# Altium PCB Minion_Rev2.PcbDoc (part 9 of 11)
Units mil, origin at the board's own origin, x right, y up, seen from the top; angles counter-clockwise.
Board outline 4724.41 x 6929.13 mil, 4 copper layers (L1, L2, L3, L4), stack 62.087 mil thick; 873 components, 147 nets, 5651 pads, 5666 vias.
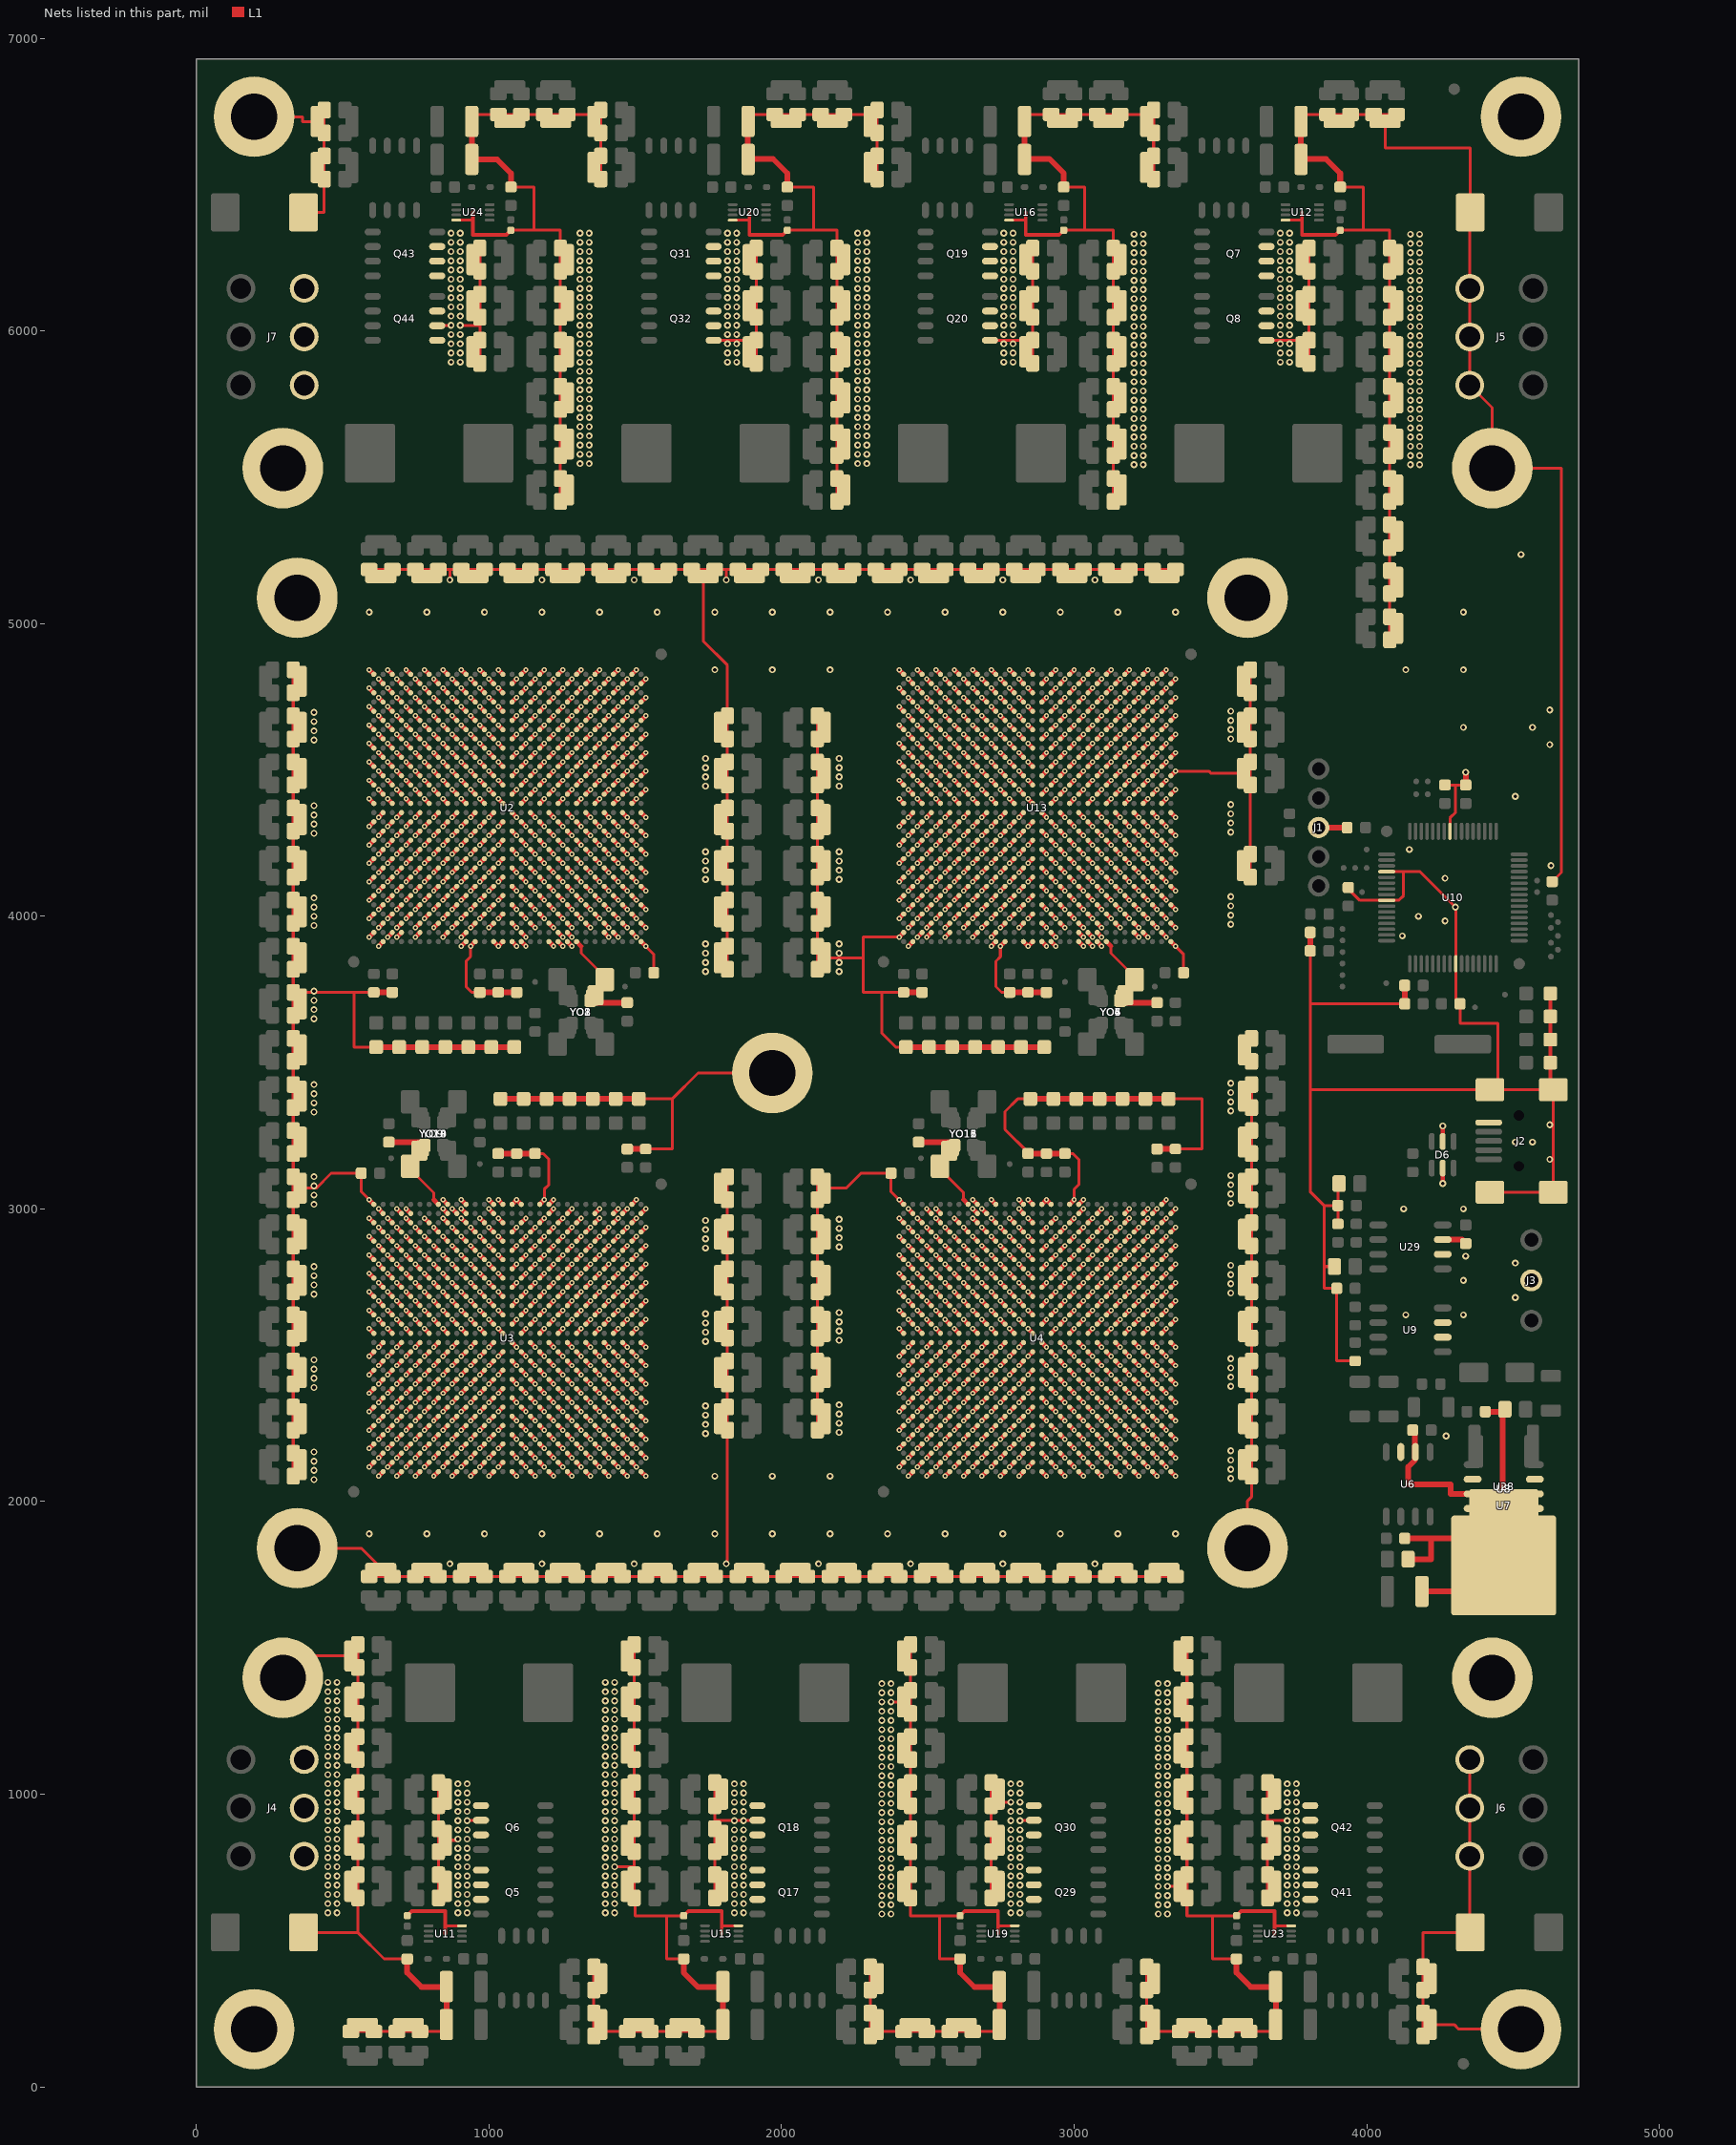
[diagram p11: the nets of this part, all layers, seen from the top]

## Via types
v1: diameter 17.72/17.72/17.72/17.72 (per signal layer), hole 7.87, L1 to L4, 3578 vias
v2: diameter 23.62/23.62/23.62/23.62 (per signal layer), hole 11.81, L1 to L4, 2088 vias

## Nets (pads, with @x,y where several pads share a name; then routed paths per layer and width w, separated by ;. In a path a pad name is that pad's centre, name@x,y a point inside that pad or via, vN(x,y) a via of type N, cw(c..) or ccw(c..) an arc to the next point about the centre after c; other vN are vias at no path point) (continued)
GND: (continued)
  L1 w15.75: v1(590.55,2118.11) U3.B30@606.3,2133.86 ; v1(590.55,2181.1) U3.D30@606.3,2196.85 ; v1(590.55,2244.09) U3.F30@606.3,2259.84 ; v1(590.55,2307.09) U3.H30@606.3,2322.83 ; v1(590.55,2370.08) U3.K30@606.3,2385.83 ; v1(590.55,2433.07) U3.M30@606.3,2448.82 ; v1(590.55,2496.06) U3.P30@606.3,2511.81 ; v1(590.55,2590.55) U3.T30@606.3,2574.8 ; v1(590.55,2653.54) U3.V30@606.3,2637.8 ; v1(590.55,2716.54) U3.Y30@606.3,2700.79 ; v1(590.55,2779.53) U3.AB30@606.3,2763.78 ; v1(590.55,2842.52) U3.AD30@606.3,2826.77 ; v1(590.55,2905.51) U3.AF30@606.3,2889.76 ; v1(590.55,2968.5) U3.AH30@606.3,2952.76 ; v1(590.55,3031.5) U3.AK30@606.3,3015.75 ; v1(590.55,3929.13) U2.AJ1@606.3,3944.88 ; v1(590.55,3992.13) U2.AG1@606.3,4007.87 ; v1(590.55,4055.12) U2.AE1@606.3,4070.87 ; v1(590.55,4118.11) U2.AC1@606.3,4133.86 ; v1(590.55,4181.1) U2.AA1@606.3,4196.85 ; v1(590.55,4244.09) U2.W1@606.3,4259.84 ; v1(590.55,4307.09) U2.U1@606.3,4322.83 ; v1(590.55,4401.57) U2.R1@606.3,4385.83 ; v1(590.55,4464.57) U2.N1@606.3,4448.82 ; v1(590.55,4527.56) U2.L1@606.3,4511.81 ; v1(590.55,4590.55) U2.J1@606.3,4574.8 ; v1(590.55,4653.54) U2.G1@606.3,4637.8 ; v1(590.55,4716.54) U2.E1@606.3,4700.79 ; v1(590.55,4779.53) U2.C1@606.3,4763.78 ; v1(590.55,4842.52) U2.A1@606.3,4826.77 ; v1(622.05,2086.61) U3.A29@637.8,2102.36 ; v1(622.05,2149.61) U3.C29@637.8,2165.35 ; v1(622.05,2212.6) U3.E29@637.8,2228.35 ; v1(622.05,2275.59) U3.G29@637.8,2291.34 ; v1(622.05,2338.58) U3.J29@637.8,2354.33 ; v1(622.05,2401.57) U3.L29@637.8,2417.32 ; v1(622.05,2464.57) U3.N29@637.8,2480.31 ; v1(622.05,2527.56) U3.R29@637.8,2543.31 ; v1(622.05,2622.05) U3.U29@637.8,2606.3 ; v1(622.05,2685.04) U3.W29@637.8,2669.29 ; v1(622.05,2748.03) U3.AA29@637.8,2732.28 ; v1(622.05,2811.02) U3.AC29@637.8,2795.28 ; v1(622.05,2874.02) U3.AE29@637.8,2858.27 ; v1(622.05,2937.01) U3.AG29@637.8,2921.26 ; v1(622.05,3000) U3.AJ29@637.8,2984.25 ; v1(622.05,3897.64) U2.AK2@637.8,3913.39 ; v1(622.05,3960.63) U2.AH2@637.8,3976.38 ; v1(622.05,4023.62) U2.AF2@637.8,4039.37 ; v1(622.05,4086.61) U2.AD2@637.8,4102.36 ; v1(622.05,4149.61) U2.AB2@637.8,4165.35 ; v1(622.05,4212.6) U2.Y2@637.8,4228.35 ; v1(622.05,4275.59) U2.V2@637.8,4291.34 ; v1(622.05,4338.58) U2.T2@637.8,4354.33 ; v1(622.05,4433.07) U2.P2@637.8,4417.32 ; v1(622.05,4496.06) U2.M2@637.8,4480.31 ; v1(622.05,4559.06) U2.K2@637.8,4543.31 ; v1(622.05,4622.05) U2.H2@637.8,4606.3 ; v1(622.05,4685.04) U2.F2@637.8,4669.29 ; v1(622.05,4748.03) U2.D2@637.8,4732.28 ; v1(622.05,4811.02) U2.B2@637.8,4795.28 ; v1(653.54,2118.11) U3.B28@669.29,2133.86 ; v1(653.54,2181.1) U3.D28@669.29,2196.85 ; v1(653.54,2244.09) U3.F28@669.29,2259.84 ; v1(653.54,2307.09) U3.H28@669.29,2322.83 ; v1(653.54,2370.08) U3.K28@669.29,2385.83 ; v1(653.54,2433.07) U3.M28@669.29,2448.82 ; v1(653.54,2496.06) U3.P28@669.29,2511.81 ; v1(653.54,2590.55) U3.T28@669.29,2574.8 ; v1(653.54,2653.54) U3.V28@669.29,2637.8 ; v1(653.54,2716.54) U3.Y28@669.29,2700.79 ; v1(653.54,2779.53) U3.AB28@669.29,2763.78 ; v1(653.54,2842.52) U3.AD28@669.29,2826.77 ; v1(653.54,2905.51) U3.AF28@669.29,2889.76 ; v1(653.54,2968.5) U3.AH28@669.29,2952.76 ; v1(653.54,3929.13) U2.AJ3@669.29,3944.88 ; v1(653.54,3992.13) U2.AG3@669.29,4007.87 ; v1(653.54,4055.12) U2.AE3@669.29,4070.87 ; v1(653.54,4118.11) U2.AC3@669.29,4133.86 ; v1(653.54,4181.1) U2.AA3@669.29,4196.85 ; v1(653.54,4244.09) U2.W3@669.29,4259.84 ; v1(653.54,4307.09) U2.U3@669.29,4322.83 ; v1(653.54,4401.57) U2.R3@669.29,4385.83 ; v1(653.54,4464.57) U2.N3@669.29,4448.82 ; v1(653.54,4527.56) U2.L3@669.29,4511.81 ; v1(653.54,4590.55) U2.J3@669.29,4574.8 ; v1(653.54,4653.54) U2.G3@669.29,4637.8 ; v1(653.54,4716.54) U2.E3@669.29,4700.79 ; v1(653.54,4779.53) U2.C3@669.29,4763.78 ; v1(653.54,4842.52) U2.A3@669.29,4826.77 ; v1(685.04,2086.61) U3.A27@700.79,2102.36 ; v1(685.04,2149.61) U3.C27@700.79,2165.35 ; v1(685.04,2212.6) U3.E27@700.79,2228.35 ; v1(685.04,2275.59) U3.G27@700.79,2291.34 ; v1(685.04,2338.58) U3.J27@700.79,2354.33 ; v1(685.04,2401.57) U3.L27@700.79,2417.32 ; v1(685.04,2464.57) U3.N27@700.79,2480.31 ; v1(685.04,2527.56) U3.R27@700.79,2543.31 ; v1(685.04,2622.05) U3.U27@700.79,2606.3 ; v1(685.04,2685.04) U3.W27@700.79,2669.29 ; v1(685.04,2748.03) U3.AA27@700.79,2732.28 ; v1(685.04,2811.02) U3.AC27@700.79,2795.28 ; v1(685.04,2874.02) U3.AE27@700.79,2858.27 ; v1(685.04,2937.01) U3.AG27@700.79,2921.26 ; v1(685.04,3000) U3.AJ27@700.79,2984.25 ; v1(685.04,3929.13) U2.AJ4@700.79,3944.88 ; v1(685.04,3960.63) U2.AH4@700.79,3976.38 ; v1(685.04,4023.62) U2.AF4@700.79,4039.37 ; v1(685.04,4086.61) U2.AD4@700.79,4102.36 ; v1(685.04,4149.61) U2.AB4@700.79,4165.35 ; v1(685.04,4212.6) U2.Y4@700.79,4228.35 ; v1(685.04,4275.59) U2.V4@700.79,4291.34 ; v1(685.04,4338.58) U2.T4@700.79,4354.33 ; v1(685.04,4433.07) U2.P4@700.79,4417.32 ; v1(685.04,4496.06) U2.M4@700.79,4480.31 ; v1(685.04,4559.06) U2.K4@700.79,4543.31 ; v1(685.04,4622.05) U2.H4@700.79,4606.3 ; v1(685.04,4685.04) U2.F4@700.79,4669.29 ; v1(685.04,4748.03) U2.D4@700.79,4732.28 ; v1(685.04,4811.02) U2.B4@700.79,4795.28 ; v1(716.54,2118.11) U3.B26@732.28,2133.86 ; v1(716.54,2181.1) U3.D26@732.28,2196.85 ; v1(716.54,2244.09) U3.F26@732.28,2259.84 ; v1(716.54,2307.09) U3.H26@732.28,2322.83 ; v1(716.54,2370.08) U3.K26@732.28,2385.83 ; v1(716.54,2433.07) U3.M26@732.28,2448.82 ; v1(716.54,2496.06) U3.P26@732.28,2511.81 ; v1(716.54,2590.55) U3.T26@732.28,2574.8 ; v1(716.54,2653.54) U3.V26@732.28,2637.8 ; v1(716.54,2716.54) U3.Y26@732.28,2700.79 ; v1(716.54,2779.53) U3.AB26@732.28,2763.78 ; v1(716.54,2842.52) U3.AD26@732.28,2826.77 ; v1(716.54,2905.51) U3.AF26@732.28,2889.76 ; v1(716.54,2968.5) U3.AH26@732.28,2952.76 ; v1(716.54,3000) U3.AJ26@732.28,2984.25 ; v1(716.54,3992.13) U2.AG5@732.28,4007.87 ; v1(716.54,4055.12) U2.AE5@732.28,4070.87 ; v1(716.54,4118.11) U2.AC5@732.28,4133.86 ; v1(716.54,4181.1) U2.AA5@732.28,4196.85 ; v1(716.54,4244.09) U2.W5@732.28,4259.84 ; v1(716.54,4307.09) U2.U5@732.28,4322.83 ; v1(716.54,4401.57) U2.R5@732.28,4385.83 ; v1(716.54,4464.57) U2.N5@732.28,4448.82 ; v1(716.54,4527.56) U2.L5@732.28,4511.81 ; v1(716.54,4590.55) U2.J5@732.28,4574.8 ; v1(716.54,4653.54) U2.G5@732.28,4637.8 ; v1(716.54,4716.54) U2.E5@732.28,4700.79 ; v1(716.54,4779.53) U2.C5@732.28,4763.78 ; v1(716.54,4842.52) U2.A5@732.28,4826.77 ; v1(748.03,2086.61) U3.A25@763.78,2102.36 ; v1(748.03,2149.61) U3.C25@763.78,2165.35 ; v1(748.03,2212.6) U3.E25@763.78,2228.35 ; v1(748.03,2275.59) U3.G25@763.78,2291.34 ; v1(748.03,2338.58) U3.J25@763.78,2354.33 ; v1(748.03,2401.57) U3.L25@763.78,2417.32 ; v1(748.03,2464.57) U3.N25@763.78,2480.31 ; v1(748.03,2527.56) U3.R25@763.78,2543.31 ; v1(748.03,2622.05) U3.U25@763.78,2606.3 ; v1(748.03,2685.04) U3.W25@763.78,2669.29 ; v1(748.03,2748.03) U3.AA25@763.78,2732.28 ; v1(748.03,2811.02) U3.AC25@763.78,2795.28 ; v1(748.03,2874.02) U3.AE25@763.78,2858.27 ; v1(748.03,2937.01) U3.AG25@763.78,2921.26 ; v1(748.03,3929.13) U2.AJ6@763.78,3944.88 ; v1(748.03,3960.63) U2.AH6@763.78,3976.38 ; v1(748.03,4023.62) U2.AF6@763.78,4039.37 ; v1(748.03,4086.61) U2.AD6@763.78,4102.36 ; v1(748.03,4149.61) U2.AB6@763.78,4165.35 ; v1(748.03,4212.6) U2.Y6@763.78,4228.35 ; v1(748.03,4275.59) U2.V6@763.78,4291.34 ; v1(748.03,4338.58) U2.T6@763.78,4354.33 ; v1(748.03,4433.07) U2.P6@763.78,4417.32 ; v1(748.03,4496.06) U2.M6@763.78,4480.31 ; v1(748.03,4559.06) U2.K6@763.78,4543.31 ; v1(748.03,4622.05) U2.H6@763.78,4606.3 ; v1(748.03,4685.04) U2.F6@763.78,4669.29 ; v1(748.03,4748.03) U2.D6@763.78,4732.28 ; v1(748.03,4811.02) U2.B6@763.78,4795.28 ; v1(779.53,2118.11) U3.B24@795.28,2133.86 ; v1(779.53,2181.1) U3.D24@795.28,2196.85 ; v1(779.53,2244.09) U3.F24@795.28,2259.84 ; v1(779.53,2307.09) U3.H24@795.28,2322.83 ; v1(779.53,2370.08) U3.K24@795.28,2385.83 ; v1(779.53,2433.07) U3.M24@795.28,2448.82 ; v1(779.53,2496.06) U3.P24@795.28,2511.81 ; v1(779.53,2590.55) U3.T24@795.28,2574.8 ; v1(779.53,2653.54) U3.V24@795.28,2637.8 ; v1(779.53,2716.54) U3.Y24@795.28,2700.79 ; v1(779.53,2779.53) U3.AB24@795.28,2763.78 ; v1(779.53,2842.52) U3.AD24@795.28,2826.77 ; v1(779.53,2905.51) U3.AF24@795.28,2889.76 ; v1(779.53,2968.5) U3.AH24@795.28,2952.76 ; v1(779.53,3992.13) U2.AG7@795.28,4007.87 ; v1(779.53,4055.12) U2.AE7@795.28,4070.87 ; v1(779.53,4118.11) U2.AC7@795.28,4133.86 ; v1(779.53,4181.1) U2.AA7@795.28,4196.85 ; v1(779.53,4244.09) U2.W7@795.28,4259.84 ; v1(779.53,4307.09) U2.U7@795.28,4322.83 ; v1(779.53,4401.57) U2.R7@795.28,4385.83 ; v1(779.53,4464.57) U2.N7@795.28,4448.82 ; v1(779.53,4527.56) U2.L7@795.28,4511.81 ; v1(779.53,4590.55) U2.J7@795.28,4574.8 ; v1(779.53,4653.54) U2.G7@795.28,4637.8 ; v1(779.53,4716.54) U2.E7@795.28,4700.79 ; v1(779.53,4779.53) U2.C7@795.28,4763.78 ; v1(779.53,4842.52) U2.A7@795.28,4826.77 ; v1(811.02,2086.61) U3.A23@826.77,2102.36 ; v1(811.02,2149.61) U3.C23@826.77,2165.35 ; v1(811.02,2212.6) U3.E23@826.77,2228.35 ; v1(811.02,2275.59) U3.G23@826.77,2291.34 ; v1(811.02,2338.58) U3.J23@826.77,2354.33 ; v1(811.02,2401.57) U3.L23@826.77,2417.32 ; v1(811.02,2464.57) U3.N23@826.77,2480.31 ; v1(811.02,2527.56) U3.R23@826.77,2543.31 ; v1(811.02,2622.05) U3.U23@826.77,2606.3 ; v1(811.02,2685.04) U3.W23@826.77,2669.29 ; v1(811.02,2748.03) U3.AA23@826.77,2732.28 ; v1(811.02,2811.02) U3.AC23@826.77,2795.28 ; v1(811.02,2874.02) U3.AE23@826.77,2858.27 ; v1(811.02,2937.01) U3.AG23@826.77,2921.26 ; 811.02,3031.5 U3.AK23@826.77,3015.75 ; v1(811.02,3960.63) U2.AH8@826.77,3976.38 ; v1(811.02,4023.62) U2.AF8@826.77,4039.37 ; v1(811.02,4086.61) U2.AD8@826.77,4102.36 ; v1(811.02,4149.61) U2.AB8@826.77,4165.35 ; v1(811.02,4212.6) U2.Y8@826.77,4228.35 ; v1(811.02,4275.59) U2.V8@826.77,4291.34 ; v1(811.02,4338.58) U2.T8@826.77,4354.33 ; v1(811.02,4433.07) U2.P8@826.77,4417.32 ; v1(811.02,4496.06) U2.M8@826.77,4480.31 ; v1(811.02,4559.06) U2.K8@826.77,4543.31 ; v1(811.02,4622.05) U2.H8@826.77,4606.3 ; v1(811.02,4685.04) U2.F8@826.77,4669.29 ; v1(811.02,4748.03) U2.D8@826.77,4732.28 ; v1(811.02,4811.02) U2.B8@826.77,4795.28 ; v1(842.52,2118.11) U3.B22@858.27,2133.86 ; v1(842.52,2181.1) U3.D22@858.27,2196.85 ; v1(842.52,2244.09) U3.F22@858.27,2259.84 ; v1(842.52,2307.09) U3.H22@858.27,2322.83 ; v1(842.52,2370.08) U3.K22@858.27,2385.83 ; v1(842.52,2433.07) U3.M22@858.27,2448.82 ; v1(842.52,2496.06) U3.P22@858.27,2511.81 ; v1(842.52,2590.55) U3.T22@858.27,2574.8 ; v1(842.52,2653.54) U3.V22@858.27,2637.8 ; v1(842.52,2716.54) U3.Y22@858.27,2700.79 ; v1(842.52,2779.53) U3.AB22@858.27,2763.78 ; v1(842.52,2842.52) U3.AD22@858.27,2826.77 ; v1(842.52,2905.51) U3.AF22@858.27,2889.76 ; v1(842.52,2968.5) U3.AH22@858.27,2952.76 ; v1(842.52,3000) U3.AJ22@858.27,2984.25 ; v1(842.52,3031.5) U3.AK22@858.27,3015.75 ; v1(842.52,3929.13) U2.AJ9@858.27,3944.88 ; v1(842.52,3992.13) U2.AG9@858.27,4007.87 ; v1(842.52,4055.12) U2.AE9@858.27,4070.87 ; v1(842.52,4118.11) U2.AC9@858.27,4133.86 ; v1(842.52,4181.1) U2.AA9@858.27,4196.85 ; v1(842.52,4244.09) U2.W9@858.27,4259.84 ; v1(842.52,4307.09) U2.U9@858.27,4322.83 ; v1(842.52,4401.57) U2.R9@858.27,4385.83 ; v1(842.52,4464.57) U2.N9@858.27,4448.82 ; v1(842.52,4527.56) U2.L9@858.27,4511.81 ; v1(842.52,4590.55) U2.J9@858.27,4574.8 ; v1(842.52,4653.54) U2.G9@858.27,4637.8 ; v1(842.52,4716.54) U2.E9@858.27,4700.79 ; v1(842.52,4779.53) U2.C9@858.27,4763.78 ; v1(842.52,4842.52) U2.A9@858.27,4826.77 ; v1(874.02,2086.61) U3.A21@889.76,2102.36 ; v1(874.02,2149.61) U3.C21@889.76,2165.35 ; v1(874.02,2212.6) U3.E21@889.76,2228.35 ; v1(874.02,2275.59) U3.G21@889.76,2291.34 ; v1(874.02,2338.58) U3.J21@889.76,2354.33 ; v1(874.02,2401.57) U3.L21@889.76,2417.32 ; v1(874.02,2464.57) U3.N21@889.76,2480.31 ; v1(874.02,2527.56) U3.R21@889.76,2543.31 ; v1(874.02,2622.05) U3.U21@889.76,2606.3 ; v1(874.02,2685.04) U3.W21@889.76,2669.29 ; v1(874.02,2748.03) U3.AA21@889.76,2732.28 ; v1(874.02,2811.02) U3.AC21@889.76,2795.28 ; v1(874.02,2874.02) U3.AE21@889.76,2858.27 ; v1(874.02,2937.01) U3.AG21@889.76,2921.26 ; v1(874.02,3000) U3.AJ21@889.76,2984.25 ; v1(874.02,3960.63) U2.AH10@889.76,3976.38 ; v1(874.02,4023.62) U2.AF10@889.76,4039.37 ; v1(874.02,4086.61) U2.AD10@889.76,4102.36 ; v1(874.02,4149.61) U2.AB10@889.76,4165.35 ; v1(874.02,4212.6) U2.Y10@889.76,4228.35 ; v1(874.02,4275.59) U2.V10@889.76,4291.34 ; v1(874.02,4338.58) U2.T10@889.76,4354.33 ; v1(874.02,4433.07) U2.P10@889.76,4417.32 ; v1(874.02,4496.06) U2.M10@889.76,4480.31 ; v1(874.02,4559.06) U2.K10@889.76,4543.31 ; v1(874.02,4622.05) U2.H10@889.76,4606.3 ; v1(874.02,4685.04) U2.F10@889.76,4669.29 ; v1(874.02,4748.03) U2.D10@889.76,4732.28 ; v1(874.02,4811.02) U2.B10@889.76,4795.28 ; v1(905.51,2118.11) U3.B20@921.26,2133.86 ; v1(905.51,2181.1) U3.D20@921.26,2196.85 ; v1(905.51,2244.09) U3.F20@921.26,2259.84 ; v1(905.51,2307.09) U3.H20@921.26,2322.83 ; v1(905.51,2370.08) U3.K20@921.26,2385.83 ; v1(905.51,2433.07) U3.M20@921.26,2448.82 ; v1(905.51,2496.06) U3.P20@921.26,2511.81 ; v1(905.51,2590.55) U3.T20@921.26,2574.8 ; v1(905.51,2653.54) U3.V20@921.26,2637.8 ; v1(905.51,2716.54) U3.Y20@921.26,2700.79 ; v1(905.51,2779.53) U3.AB20@921.26,2763.78 ; v1(905.51,2842.52) U3.AD20@921.26,2826.77 ; v1(905.51,2905.51) U3.AF20@921.26,2889.76 ; v1(905.51,2968.5) U3.AH20@921.26,2952.76 ; v1(905.51,3000) U3.AJ20@921.26,2984.25 ; v1(905.51,3031.5) U3.AK20@921.26,3015.75 ; v1(905.51,3897.64) U2.AK11@921.26,3913.39 ; v1(905.51,3929.13) U2.AJ11@921.26,3944.88 ; v1(905.51,3992.13) U2.AG11@921.26,4007.87 ; v1(905.51,4055.12) U2.AE11@921.26,4070.87 ; v1(905.51,4118.11) U2.AC11@921.26,4133.86 ; v1(905.51,4181.1) U2.AA11@921.26,4196.85 ; v1(905.51,4244.09) U2.W11@921.26,4259.84 ; v1(905.51,4307.09) U2.U11@921.26,4322.83 ; v1(905.51,4401.57) U2.R11@921.26,4385.83 ; v1(905.51,4464.57) U2.N11@921.26,4448.82 ; v1(905.51,4527.56) U2.L11@921.26,4511.81 ; v1(905.51,4590.55) U2.J11@921.26,4574.8 ; v1(905.51,4653.54) U2.G11@921.26,4637.8 ; v1(905.51,4716.54) U2.E11@921.26,4700.79 ; v1(905.51,4779.53) U2.C11@921.26,4763.78 ; v1(905.51,4842.52) U2.A11@921.26,4826.77 ; v1(937.01,2086.61) U3.A19@952.76,2102.36 ; v1(937.01,2149.61) U3.C19@952.76,2165.35 ; v1(937.01,2212.6) U3.E19@952.76,2228.35 ; v1(937.01,2275.59) U3.G19@952.76,2291.34 ; v1(937.01,2338.58) U3.J19@952.76,2354.33 ; v1(937.01,2401.57) U3.L19@952.76,2417.32 ; v1(937.01,2464.57) U3.N19@952.76,2480.31 ; v1(937.01,2527.56) U3.R19@952.76,2543.31 ; v1(937.01,2622.05) U3.U19@952.76,2606.3 ; v1(937.01,2685.04) U3.W19@952.76,2669.29 ; v1(937.01,2748.03) U3.AA19@952.76,2732.28 ; v1(937.01,2811.02) U3.AC19@952.76,2795.28 ; v1(937.01,2874.02) U3.AE19@952.76,2858.27 ; v1(937.01,2937.01) U3.AG19@952.76,2921.26 ; v1(937.01,3897.64) U2.AK12@952.76,3913.39 ; v1(937.01,3960.63) U2.AH12@952.76,3976.38 ; v1(937.01,4023.62) U2.AF12@952.76,4039.37 ; v1(937.01,4086.61) U2.AD12@952.76,4102.36 ; v1(937.01,4149.61) U2.AB12@952.76,4165.35 ; v1(937.01,4212.6) U2.Y12@952.76,4228.35 ; v1(937.01,4275.59) U2.V12@952.76,4291.34 ; v1(937.01,4338.58) U2.T12@952.76,4354.33 ; v1(937.01,4433.07) U2.P12@952.76,4417.32 ; v1(937.01,4496.06) U2.M12@952.76,4480.31 ; v1(937.01,4559.06) U2.K12@952.76,4543.31 ; v1(937.01,4622.05) U2.H12@952.76,4606.3 ; v1(937.01,4685.04) U2.F12@952.76,4669.29 ; v1(937.01,4748.03) U2.D12@952.76,4732.28 ; v1(937.01,4811.02) U2.B12@952.76,4795.28 ; v1(968.5,2118.11) U3.B18@984.25,2133.86 ; v1(968.5,2181.1) U3.D18@984.25,2196.85 ; v1(968.5,2244.09) U3.F18@984.25,2259.84 ; v1(968.5,2307.09) U3.H18@984.25,2322.83 ; v1(968.5,2370.08) U3.K18@984.25,2385.83 ; v1(968.5,2433.07) U3.M18@984.25,2448.82 ; v1(968.5,2496.06) U3.P18@984.25,2511.81 ; v1(968.5,2590.55) U3.T18@984.25,2574.8 ; v1(968.5,2653.54) U3.V18@984.25,2637.8 ; v1(968.5,2716.54) U3.Y18@984.25,2700.79 ; v1(968.5,2779.53) U3.AB18@984.25,2763.78 ; v1(968.5,2842.52) U3.AD18@984.25,2826.77 ; v1(968.5,2905.51) U3.AF18@984.25,2889.76 ; v1(968.5,2968.5) U3.AH18@984.25,2952.76 ; v1(968.5,3992.13) U2.AG13@984.25,4007.87 ; v1(968.5,4055.12) U2.AE13@984.25,4070.87 ; v1(968.5,4118.11) U2.AC13@984.25,4133.86 ; v1(968.5,4181.1) U2.AA13@984.25,4196.85 ; v1(968.5,4244.09) U2.W13@984.25,4259.84 ; v1(968.5,4307.09) U2.U13@984.25,4322.83 ; v1(968.5,4401.57) U2.R13@984.25,4385.83 ; v1(968.5,4464.57) U2.N13@984.25,4448.82 ; v1(968.5,4527.56) U2.L13@984.25,4511.81 ; v1(968.5,4590.55) U2.J13@984.25,4574.8 ; v1(968.5,4653.54) U2.G13@984.25,4637.8 ; v1(968.5,4716.54) U2.E13@984.25,4700.79 ; v1(968.5,4779.53) U2.C13@984.25,4763.78 ; v1(968.5,4842.52) U2.A13@984.25,4826.77 ; v1(1000,2086.61) U3.A17@1015.75,2102.36 ; v1(1000,2149.61) U3.C17@1015.75,2165.35 ; v1(1000,2212.6) U3.E17@1015.75,2228.35 ; v1(1000,2275.59) U3.G17@1015.75,2291.34 ; v1(1000,2338.58) U3.J17@1015.75,2354.33 ; v1(1000,2401.57) U3.L17@1015.75,2417.32 ; v1(1000,2464.57) U3.N17@1015.75,2480.31 ; v1(1000,2527.56) U3.R17@1015.75,2543.31 ; v1(1000,2622.05) U3.U17@1015.75,2606.3 ; v1(1000,2685.04) U3.W17@1015.75,2669.29 ; v1(1000,2748.03) U3.AA17@1015.75,2732.28 ; v1(1000,2811.02) U3.AC17@1015.75,2795.28 ; v1(1000,2874.02) U3.AE17@1015.75,2858.27 ; v1(1000,2937.01) U3.AG17@1015.75,2921.26 ; v1(1000,3000) U3.AJ17@1015.75,2984.25 ; v1(1000,3031.5) U3.AK17@1015.75,3015.75 ; v1(1000,3960.63) U2.AH14@1015.75,3976.38 ; v1(1000,4023.62) U2.AF14@1015.75,4039.37 ; v1(1000,4086.61) U2.AD14@1015.75,4102.36 ; v1(1000,4149.61) U2.AB14@1015.75,4165.35 ; v1(1000,4212.6) U2.Y14@1015.75,4228.35 ; v1(1000,4275.59) U2.V14@1015.75,4291.34 ; v1(1000,4338.58) U2.T14@1015.75,4354.33 ; v1(1000,4433.07) U2.P14@1015.75,4417.32 ; v1(1000,4496.06) U2.M14@1015.75,4480.31 ; v1(1000,4559.06) U2.K14@1015.75,4543.31 ; v1(1000,4622.05) U2.H14@1015.75,4606.3 ; v1(1000,4685.04) U2.F14@1015.75,4669.29 ; v1(1000,4748.03) U2.D14@1015.75,4732.28 ; v1(1000,4811.02) U2.B14@1015.75,4795.28 ; U2.AK14@1015.75,3913.39 v1(1031.5,3897.64) U2.AK15@1047.24,3913.39 ; v1(1031.5,2118.11) U3.B16@1047.24,2133.86 ; v1(1031.5,2181.1) U3.D16@1047.24,2196.85 ; v1(1031.5,2244.09) U3.F16@1047.24,2259.84 ; v1(1031.5,2307.09) U3.H16@1047.24,2322.83 ; v1(1031.5,2370.08) U3.K16@1047.24,2385.83 ; v1(1031.5,2433.07) U3.M16@1047.24,2448.82 ; v1(1031.5,2496.06) U3.P16@1047.24,2511.81 ; v1(1031.5,2590.55) U3.T16@1047.24,2574.8 ; v1(1031.5,2653.54) U3.V16@1047.24,2637.8 ; v1(1031.5,2716.54) U3.Y16@1047.24,2700.79 ; v1(1031.5,2779.53) U3.AB16@1047.24,2763.78 ; v1(1031.5,2842.52) U3.AD16@1047.24,2826.77 ; v1(1031.5,2905.51) U3.AF16@1047.24,2889.76 ; v1(1031.5,2968.5) U3.AH16@1047.24,2952.76 ; v1(1031.5,3031.5) U3.AK16@1047.24,3015.75 ; v1(1031.5,3992.13) U2.AG15@1047.24,4007.87 ; v1(1031.5,4055.12) U2.AE15@1047.24,4070.87 ; v1(1031.5,4118.11) U2.AC15@1047.24,4133.86 ; v1(1031.5,4181.1) U2.AA15@1047.24,4196.85 ; v1(1031.5,4244.09) U2.W15@1047.24,4259.84 ; v1(1031.5,4307.09) U2.U15@1047.24,4322.83 ; v1(1031.5,4401.57) U2.R15@1047.24,4385.83 ; v1(1031.5,4464.57) U2.N15@1047.24,4448.82 ; v1(1031.5,4527.56) U2.L15@1047.24,4511.81 ; v1(1031.5,4590.55) U2.J15@1047.24,4574.8 ; v1(1031.5,4653.54) U2.G15@1047.24,4637.8 ; v1(1031.5,4716.54) U2.E15@1047.24,4700.79 ; v1(1031.5,4779.53) U2.C15@1047.24,4763.78 ; v1(1031.5,4842.52) U2.A15@1047.24,4826.77 ; U3.A15@1078.74,2102.36 v1(1094.49,2086.61) ; U3.C15@1078.74,2165.35 v1(1094.49,2149.61) ; U3.E15@1078.74,2228.35 v1(1094.49,2212.6) ; U3.G15@1078.74,2291.34 v1(1094.49,2275.59) ; U3.J15@1078.74,2354.33 v1(1094.49,2338.58) ; U3.L15@1078.74,2417.32 v1(1094.49,2401.57) ; U3.N15@1078.74,2480.31 v1(1094.49,2464.57) ; U3.R15@1078.74,2543.31 v1(1094.49,2527.56) ; U3.U15@1078.74,2606.3 v1(1094.49,2622.05) ; U3.W15@1078.74,2669.29 v1(1094.49,2685.04) ; U3.AA15@1078.74,2732.28 v1(1094.49,2748.03) ; U3.AC15@1078.74,2795.28 v1(1094.49,2811.02) ; U3.AE15@1078.74,2858.27 v1(1094.49,2874.02) ; U3.AG15@1078.74,2921.26 v1(1094.49,2937.01) ; U3.AK15@1078.74,3015.75 v1(1094.49,3031.5) U3.AK14@1110.24,3015.75 ; U2.AK16@1078.74,3913.39 v1(1094.49,3897.64) ; U2.AH16@1078.74,3976.38 v1(1094.49,3960.63) ; U2.AF16@1078.74,4039.37 v1(1094.49,4023.62) ; U2.AD16@1078.74,4102.36 v1(1094.49,4086.61) ; U2.AB16@1078.74,4165.35 v1(1094.49,4149.61) ; U2.Y16@1078.74,4228.35 v1(1094.49,4212.6) ; U2.V16@1078.74,4291.34 v1(1094.49,4275.59) ; U2.T16@1078.74,4354.33 v1(1094.49,4338.58) ; U2.P16@1078.74,4417.32 v1(1094.49,4433.07) 